# Altium PCB WCAM-TK-PCB-R02.PcbDoc (part 1 of 2)
Units mm, origin at the board's own origin, x right, y up, seen from the top; angles counter-clockwise.
Board outline 206 x 6 mm, 6 copper layers (Top Layer, Layer 1, Layer 2, Layer 3, Layer 4, Bottom Layer), stack 0.887 mm thick; 179 components, 113 nets, 601 pads, 260 vias.
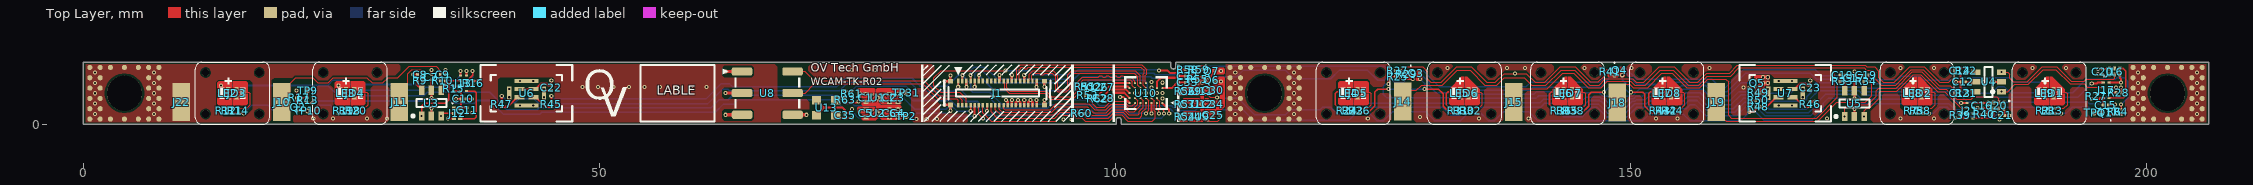
[diagram p0: Top Layer view]
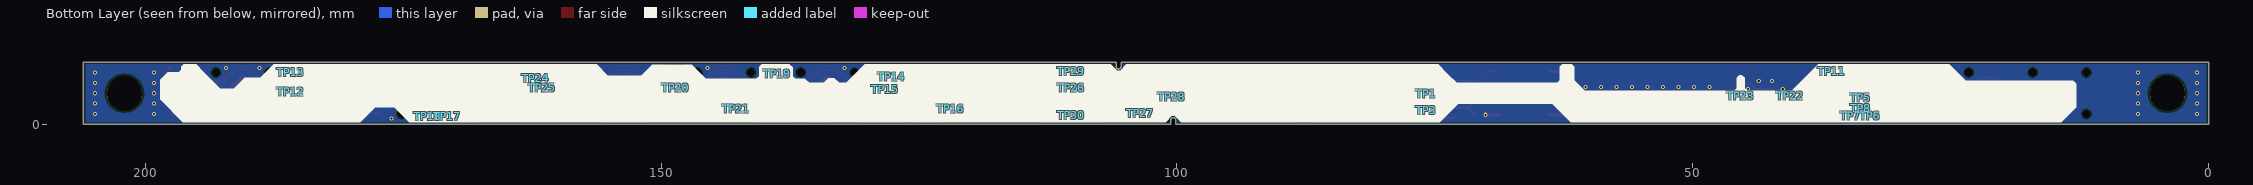
[diagram p1: Bottom Layer view, seen from below]
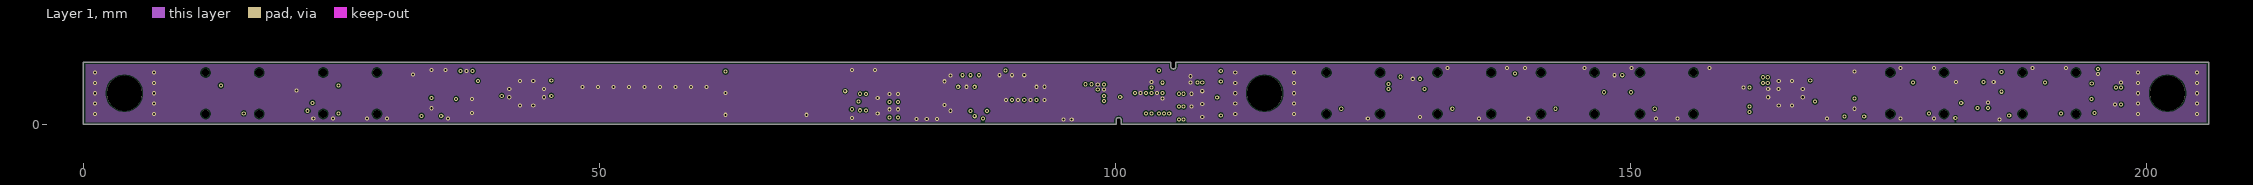
[diagram p2: Layer 1]
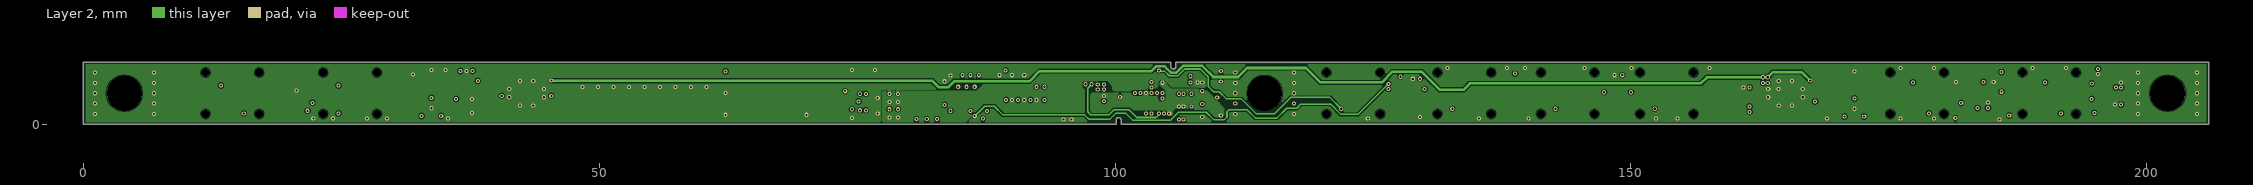
[diagram p3: Layer 2]
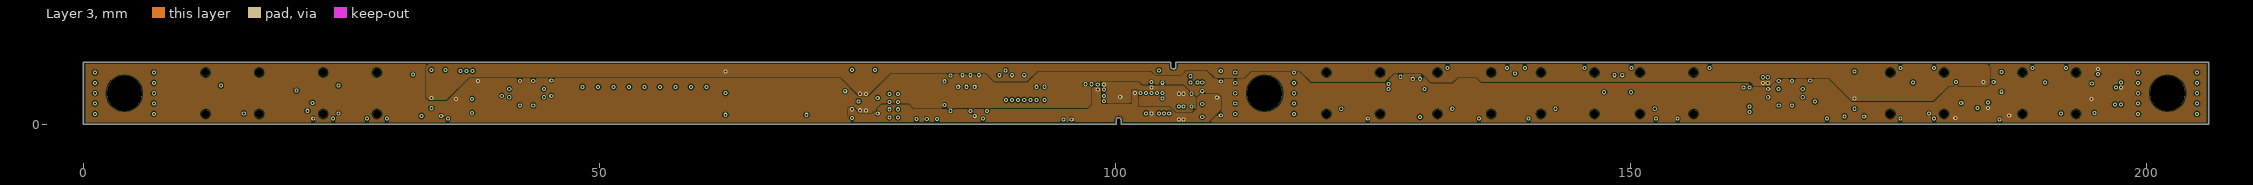
[diagram p4: Layer 3]
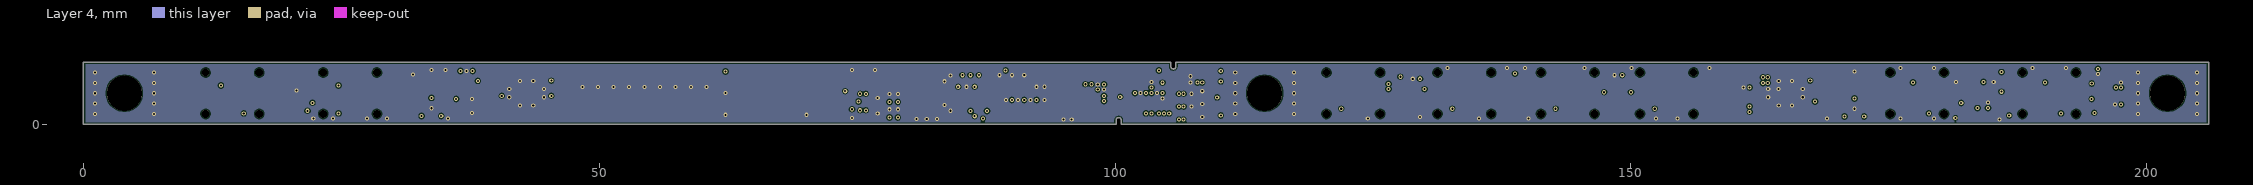
[diagram p5: Layer 4]
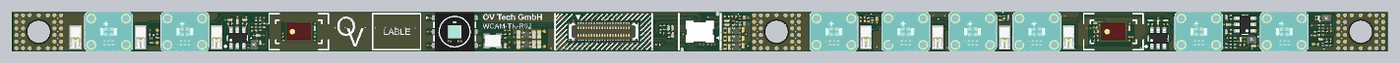
[diagram p7: 3D render of the assembled board from above, using the file's embedded part models]

## Layer stack, top to bottom
Top Solder: solder mask 0.01, Solder Resist, Dk 3.5
Top Layer: signal copper 0.036
Dielectric 1: prepreg 0.1164, Prepreg 2116, Dk 4.5
Layer 1: signal copper 0.035
Dielectric 2: prepreg 0.071, PP-006, Dk 4.1
Layer 2: signal copper 0.035
Dielectric 3: dielectric 0.3, FR-4, Dk 4.8
Layer 3: signal copper 0.035
Dielectric 4: prepreg 0.071, PP-006, Dk 4.1
Layer 4: signal copper 0.035
Dielectric 5: prepreg 0.1164, Prepreg 2116, Dk 4.5
Bottom Layer: signal copper 0.036
Bottom Solder: solder mask 0.01, Solder Resist, Dk 3.5

## Board outline
100.1,0 100.1,0.4 cw(c100.35,0.4) 100.35,0.65 cw(c100.35,0.4) 100.6,0.4 100.6,0 206,0 206,6 105.9,6 105.9,5.6 cw(c105.65,5.6) 105.65,5.35 cw(c105.65,5.6) 105.4,5.6 105.4,6 0,6 0,0

## Design rules (kind name [scope] priority, off if disabled: settings)
BoardOutlineClearance [Not (OnLayer('Top overlay'))] p1: gap=0.2 ignorepadtopadclearanceinfootprint=FALSE
Clearance Clearance_Poly_Track [InPolygon vs IsTrack] p1: gap=0.15 ignorepadtopadclearanceinfootprint=FALSE
Clearance [All] p2: gap=0.1 ignorepadtopadclearanceinfootprint=FALSE
ComponentClearance ComponentClearance_LED_Diffusor [HasFootprint('LED 120X120 LTRB R37G RGB') vs HasFootprint('LIGHT_PIPE_DIFFUSOR_CUSTOM')] p1: gap=0.1 collisioncheckmode=3 verticalgap=0.1 showdistances=FALSE
ComponentClearance [All] p2: gap=0.2 collisioncheckmode=3 verticalgap=0.2 showdistances=FALSE
DiffPairsRouting [InDifferentialPairClass('DIFF100')] p1: maxlimit=0.254 minlimit=0.12 mostfreqgap=0.254 toplayer_maxgap=0.12 toplayer_prefgap=0.12 toplayer_minwidth=0.1 toplayer_maxwidth=0.1 toplayer_prefwidth=0.1 midlayer1_mingap=0.254 midlayer1_minwidth=0.381 midlayer1_maxwidth=0.381 midlayer1_prefwidth=0.381 midlayer2_mingap=0.254 midlayer2_minwidth=0.381 midlayer2_maxwidth=0.381 midlayer2_prefwidth=0.381 midlayer3_mingap=0.254 midlayer3_minwidth=0.381 midlayer3_maxwidth=0.381 midlayer3_prefwidth=0.381 midlayer4_mingap=0.254 midlayer4_minwidth=0.381 midlayer4_maxwidth=0.381 midlayer4_prefwidth=0.381 bottomlayer_maxgap=0.12 bottomlayer_prefgap=0.12 bottomlayer_minwidth=0.1 bottomlayer_maxwidth=0.1 bottomlayer_prefwidth=0.1 maxuncoupledlength=12.7
HoleSize [All] p1: absolutevalues=TRUE maxlimit=5 minlimit=0.025 maxpercent=80.000 minpercent=20.000
HoleToHoleClearance [All] p1: gap=0.2 allowstackedmicrovias=TRUE
MatchedLengths CSI_Intra_Pair [InxSignalClass('CSI')] p1: tolerance=0.1 checknetsindiffpair=TRUE checkdiffpairvsdiffpair=FALSE checkxsignals=FALSE checkothers=FALSE usedelayunits=TRUE delaytolerance=10.000000
MatchedLengths CSI_Pair_Pair [InxSignalClass('CSI')] p2: tolerance=0.5 checknetsindiffpair=FALSE checkdiffpairvsdiffpair=TRUE checkxsignals=TRUE checkothers=TRUE usedelayunits=TRUE delaytolerance=100.000000
MinimumSolderMaskSliver [All] p1: minsoldermaskwidth=0.05
PolygonConnect [All] p1: connectstyle=Direct reliefconductorwidth=0.254 reliefentries=4 polygonreliefangle="90 Angle" airgapwidth=0.254
RoomDefinition "U_02 Sensors" [InComponentClass('U_02 Sensors')] p1: confinementstyle=ConfineOut formatcopy=TRUE lockcomponents=FALSE outline 152.75,67.65 479.799,67.65 479.799,84.15 152.75,84.15
RoomDefinition "U_01 Touch Sensing Keys" [InComponentClass('U_01 Touch Sensing Keys')] p2: confinementstyle=ConfineOut formatcopy=TRUE lockcomponents=FALSE outline 152.75,59.5 691.999,59.5 691.999,66.45 152.75,66.45
RoomDefinition "00 Block Diagram" [InComponentClass('00 Block Diagram')] p3: confinementstyle=ConfineOut formatcopy=TRUE lockcomponents=FALSE outline 152.8,44.65 335.15,44.65 335.15,58.25 152.8,58.25
RoutingVias [All] p1: holewidth=0.2 width=0.4 viastyle="Through Hole" minholewidth=0.2 minwidth=0.4 maxholewidth=1 maxwidth=1.5
SilkToSilkClearance [All] p1: silktosilkclearance=0
SilkToSolderMaskClearance [IsPad] p1: minsilkscreentomaskgap=0 clearancetoexposedcopper=TRUE
SolderMaskExpansion [All] p1: expansion=0.05 istentingtop=FALSE
Width [All] p1: maxlimit=3 minlimit=0.1 preferedwidth=0.2
23 further rules are at their usual default settings.

## Classes and differential pairs
differential pair class DIFF100: CSI_CLK CSI_D0 CSI_D1
net class PWR: AGND AVDD DOVDD DVDD GND NetC24_1 NetC25_1 NetC29_1 NetC31_1 VCC3.3 VCC5.0 VCC_MIC VCCA3.3
net class "MIPI CSI": CSI_CLK_N CSI_CLK_P CSI_D0_N CSI_D0_P CSI_D1_N CSI_D1_P
component class "U_02 Sensors": C22 C23 C24 C25 C26 C27 C28 C29 C30 C31 C32 C33 C34 C35 Q5 Q6 Q7 R45 R46 R47 R48 R49 R50 R51 R52 R53 R54 R55 R56 R57 R58 R59 R60 R61 R62 R63 TP22 TP23 TP24 TP25 TP26 TP27 TP28 TP29 TP30 U6 U7 U8 U9 U10 U11 U12 U13
component class "U_01 Touch Sensing Keys": C7 C8 C9 C10 C11 C12 C13 C14 C15 C16 C17 C18 C19 C20 C21 J10 J11 J12 J13 J14 J15 J16 J17 J18 J19 J20 J21 LED3 LED4 LED5 LED6 LED7 LED8 Q2 Q3 Q4 R9 R10 R11 R12 R13 R14 R15 R16 R17 R18 R19 R20 R21 R22 R23 R24 R25 R26 R27 R28 R29 R30 R31 R32 R33 R34 R35 R36 R37 R38 R39 R40 R41 R42 R43 R44 TP5 TP6 TP7 TP8 TP9 TP10 TP11 TP12 TP13 TP14 TP15 TP16 TP17 TP18 TP19 TP20 TP21 U3 U4 U5
component class "00 Block Diagram": C1 C2 C3 C4 C5 C6 J1 J2 J3 J4 J5 J6 J7 J8 J9 J22 LED1 LED2 Q1 R1 R2 R3 R4 R5 R6 R7 R8 TP1 TP2 TP3 TP4 TP31 U1 U2
differential pair CSI_D1: +CSI_D1_P -CSI_D1_N
differential pair CSI_D0: +CSI_D0_P -CSI_D0_N
differential pair CSI_CLK: +CSI_CLK_P -CSI_CLK_N

## Components (designator, comment, footprint, x,y, rotation, side; value= is the part's Value field where it differs from the comment)
C1 "1µF 25V" CAPC1005X06L 75.85,2.55 r270 top
C2 "1µF 25V" CAPC1005X06L 78.15,2.55 r90 top
C3 "10µF 10V" CAPC1005X06L 78.95,2.55 r90 top
C4 "10µF 10V" CAPC1005X06L 78.95,1.05 r90 top
C5 "1µF 25V" CAPC1005X06L 75.85,1.05 r270 top
C6 "1µF 25V" CAPC1005X06L 78.15,1.05 r90 top
C7 "470nF 10V" CAPC0603X03L 33.75,4.55 r90 top
C8 "OPT" CAPC0603X03L 32.65,4.8 r180 top
C9 "OPT" CAPC0603X03L 34.85,4.8 r0 top
C10 "470nF 10V" CAPC0603X03L 36.85,2.45 r0 top
C11 "470nF 10V" CAPC0603X03L 37.2,1.35 r270 top
C12 "470nF 10V" CAPC0603X03L 182.2,4.1 r180 top
C13 "OPT" CAPC0603X03L 181.9,3 r90 top
C14 "OPT" CAPC0603X03L 181.9,5.2 r270 top
C15 "470nF 10V" CAPC0603X03L 196,1.85 r0 top
C16 "470nF 10V" CAPC0603X03L 184.026,1.811 r90 top
C17 "470nF 10V" CAPC0603X03L 171.65,4.45 r90 top
C18 "OPT" CAPC0603X03L 170.5,4.75 r0 top
C19 "OPT" CAPC0603X03L 172.8,4.75 r180 top
C20 "470nF 10V" CAPC0603X03L 195.71,5.1 r270 top
C21 "470nF 10V" CAPC0603X03L 185.95,0.85 r180 top
C22 "470nF 10V" CAPC0603X03L 45.37,3.512 r270 top
C23 "470nF 10V" CAPC0603X03L 167.37,3.512 r270 top
C24 "1uF 6.3V" CAPC0603X03L 107.4,0.7 r270 top
C25 "1uF 6.3V" CAPC0603X03L 109.5,0.85 r270 top
C26 "470nF 10V" CAPC0603X03L 98.325,3.6 r90 top
C27 "470nF 10V" CAPC0603X03L 98.925,3.6 r270 top
C28 "1uF 6.3V" CAPC0603X03L 98.925,2.5 r270 top
C29 "1uF 6.3V" CAPC0603X03L 107.4,3.2 r270 top
C30 "1uF 6.3V" CAPC0603X03L 109.5,3.3 r270 top
C31 "1uF 6.3V" CAPC0603X03L 107.4,1.95 r270 top
C32 "1uF 6.3V" CAPC0603X03L 107.05,4.65 r0 top
C33 "1uF 6.3V" CAPC0603X03L 107.05,4.05 r0 top
C34 "1uF 6.3V" CAPC0603X03L 109.5,1.95 r270 top
C35 "470nF 10V" CAPC0603X03L 73.85,0.85 r270 top
J1 "5055504020" "BOARD-TO-BOARD 40POL_505550-4020" 88.6,3.014 r0 top locked
J2 "Custom Light Pipe Diffusor" LIGHT_PIPE_DIFFUSOR_CUSTOM 14.468,3 r0 top locked
J3 "Custom Light Pipe Diffusor" LIGHT_PIPE_DIFFUSOR_CUSTOM 25.868,3 r0 top locked
J4 "Custom Light Pipe Diffusor" LIGHT_PIPE_DIFFUSOR_CUSTOM 123.089,3 r0 top locked
J5 "Custom Light Pipe Diffusor" LIGHT_PIPE_DIFFUSOR_CUSTOM 133.854,3 r0 top locked
J6 "Custom Light Pipe Diffusor" LIGHT_PIPE_DIFFUSOR_CUSTOM 143.868,3 r0 top locked
J7 "Custom Light Pipe Diffusor" LIGHT_PIPE_DIFFUSOR_CUSTOM 153.468,3 r0 top locked
J8 "Custom Light Pipe Diffusor" LIGHT_PIPE_DIFFUSOR_CUSTOM 177.735,3 r0 top locked
J9 "Custom Light Pipe Diffusor" LIGHT_PIPE_DIFFUSOR_CUSTOM 190.535,3 r0 top locked
J10 "3-2199250-3" "Contact Pad_3.2mm_3-2199250-3" 19.25,2.15 r90 top
J11 "3-2199250-3" "Contact Pad_3.2mm_3-2199250-3" 30.65,2.15 r90 top
J12 "74AUP1G14GM,115" PSON50P140X100X50-6L 36.25,1.05 r0 top
J13 "74AUP1G74GT,115" PSON50P100X50-8L 36.85,3.95 r180 top
J14 "3-2199250-3" "Contact Pad_3.2mm_3-2199250-3" 127.9,2.2 r90 top
J15 "3-2199250-3" "Contact Pad_3.2mm_3-2199250-3" 138.65,2.15 r90 top
J16 "74AUP1G14GM,115" PSON50P140X100X50-6L 196.86,5.1 r90 top
J17 "74AUP1G74GT,115" PSON50P100X50-8L 196.05,3.3 r180 top
J18 "3-2199250-3" "Contact Pad_3.2mm_3-2199250-3" 148.65,2.1 r90 top
J19 "3-2199250-3" "Contact Pad_3.2mm_3-2199250-3" 158.25,2.15 r90 top
J20 "74AUP1G14GM,115" PSON50P140X100X50-6L 185.65,1.8 r270 top
J21 "74AUP1G74GT,115" PSON50P100X50-8L 182.836,1.311 r180 top
J22 "3-2199250-3" "Contact Pad_3.2mm_3-2199250-3" 9.5,2.15 r90 top
LED1 "LTRBR37G-4R4S-0125-0" "LED 120X120 LTRB R37G RGB" 190.535,3 r90 top locked
LED2 "LTRBR37G-4R4S-0125-0" "LED 120X120 LTRB R37G RGB" 177.735,3 r90 top locked
LED3 "LTRBR37G-4R4S-0125-0" "LED 120X120 LTRB R37G RGB" 14.468,3 r90 top locked
LED4 "LTRBR37G-4R4S-0125-0" "LED 120X120 LTRB R37G RGB" 25.868,3 r90 top locked
LED5 "LTRBR37G-4R4S-0125-0" "LED 120X120 LTRB R37G RGB" 123.089,3 r90 top locked
LED6 "LTRBR37G-4R4S-0125-0" "LED 120X120 LTRB R37G RGB" 133.85,3 r90 top locked
LED7 "LTRBR37G-4R4S-0125-0" "LED 120X120 LTRB R37G RGB" 143.868,3 r90 top locked
LED8 "LTRBR37G-4R4S-0125-0" "LED 120X120 LTRB R37G RGB" 153.468,3 r90 top locked
Q1 "SSM3K15ACT,L3F" DFN65P100X50-3L 195.95,1.1 r180 top
Q2 "SSM3K15ACT,L3F" DFN65P100X50-3L 20.825,1.625 r270 top
Q3 "SSM3K15ACT,L3F" DFN65P100X50-3L 129.2,4.95 r0 top
Q4 "SSM3K15ACT,L3F" DFN65P100X50-3L 148.925,5.225 r0 top
Q5 "SSM3J56ACT,L3F" DFN65P100X50-3L 162.245,3.987 r90 top
Q6 "SSM3J56ACT,L3F" DFN65P100X50-3L 109.35,4.25 r0 top
Q7 "SSM3K15ACT,L3F" DFN65P100X50-3L 109.35,5.15 r0 top
R1 "240R 1%" RESC0603X03L 190.55,1.3 r270 top
R2 "150R 1%" RESC0603X03L 189.95,1.3 r270 top
R3 "1.5k 1%" RESC0603X03L 191.15,1.3 r270 top
R4 "240R 1%" RESC0603X03L 197.5,1.2 r90 top
R5 "240R 1%" RESC0603X03L 177.75,1.3 r270 top
R6 "18k 1%" RESC0603X03L 196.9,1.2 r270 top
R7 "1k 1%" RESC0603X03L 177.15,1.3 r270 top
R8 "240R 1%" RESC0603X03L 178.35,1.3 r270 top
R9 "0R 1%" RESC0603X03L 32.65,4.2 r0 top
R10 "0R 1%" RESC0603X03L 34.85,4.2 r180 top
R11 "240R 1%" RESC0603X03L 14.45,1.3 r270 top
R12 "150R 1%" RESC0603X03L 13.85,1.3 r270 top
R13 "240R 1%" RESC0603X03L 21.76,2.32 r270 top
R14 "1.5k 1%" RESC0603X03L 15.05,1.3 r270 top
R15 "1k 1%" RESC0603X03L 35.9,3.45 r270 top
R16 "1k 1%" RESC0603X03L 37.8,3.95 r90 top
R17 "18k 1%" RESC0603X03L 20.93,2.55 r0 top
R18 "240R 1%" RESC0603X03L 25.866,1.3 r270 top
R19 "1k 1%" RESC0603X03L 25.266,1.3 r270 top
R20 "240R 1%" RESC0603X03L 26.466,1.3 r270 top
R21 "0R 1%" RESC0603X03L 182.5,3 r270 top
R22 "0R 1%" RESC0603X03L 182.5,5.2 r90 top
R23 "240R 1%" RESC0603X03L 123.1,1.3 r270 top
R24 "150R 1%" RESC0603X03L 122.5,1.3 r270 top
R25 "240R 1%" RESC0603X03L 127.4,4.6 r180 top
R26 "1.5k 1%" RESC0603X03L 123.7,1.3 r270 top
R27 "1k 1%" RESC0603X03L 195.1,2.7 r270 top
R28 "1k 1%" RESC0603X03L 197.25,3.05 r0 top
R29 "18k 1%" RESC0603X03L 128.25,4.85 r90 top
R30 "240R 1%" RESC0603X03L 133.85,1.3 r270 top
R31 "1k 1%" RESC0603X03L 133.25,1.3 r270 top
R32 "240R 1%" RESC0603X03L 134.45,1.3 r270 top
R33 "0R 1%" RESC0603X03L 170.5,4.15 r180 top
R34 "0R 1%" RESC0603X03L 172.8,4.15 r0 top
R35 "240R 1%" RESC0603X03L 143.85,1.3 r270 top
R36 "150R 1%" RESC0603X03L 143.25,1.3 r270 top
R37 "240R 1%" RESC0603X03L 127.4,5.2 r180 top
R38 "1.5k 1%" RESC0603X03L 144.45,1.3 r270 top
R39 "1k 1%" RESC0603X03L 181.886,0.861 r270 top
R40 "1k 1%" RESC0603X03L 184.25,0.95 r0 top
R41 "18k 1%" RESC0603X03L 148,5.1 r90 top
R42 "240R 1%" RESC0603X03L 153.45,1.3 r270 top
R43 "1k 1%" RESC0603X03L 152.85,1.3 r270 top
R44 "240R 1%" RESC0603X03L 154.05,1.3 r270 top
R45 "0R 1%" RESC0603X03L 45.37,1.942 r90 top
R46 "0R 1%" RESC0603X03L 167.37,1.942 r270 top
R47 "0R 1%" RESC0603X03L 40.57,1.942 r90 top
R48 "0R 1%" RESC0603X03L 162.34,1.712 r0 top
R49 "18k 1%" RESC0603X03L 162.345,3.037 r0 top
R50 "240R 1%" RESC0603X03L 162.34,2.312 r0 top
R51 "1.5k 1%" RESC0603X03L 97.125,3.62 r270 top
R52 "1.5k 1%" RESC0603X03L 97.725,3.62 r270 top
R53 "1.5k 1%" RESC0603X03L 97.355,2.79 r180 top
R54 "0R 1%" RESC0603X03L 106.8,0.7 r270 top
R55 "18k 1%" RESC0603X03L 108,4.35 r90 top
R56 "0R 1%" RESC0603X03L 106.8,3.2 r270 top
R57 "0R 1%" RESC0603X03L 106.8,1.95 r270 top
R58 "240R 1%" RESC0603X03L 107.05,5.3 r0 top
R59 "18k 1%" RESC0603X03L 108.15,5.3 r0 top
R60 "10k 1%" RESC0603X03L 96.75,1.05 r180 top
R61 "OPT" RESC0603X03L 74.5,2.95 r90 top
R62 "0R 1%" RESC0603X03L 98.325,2.48 r90 top
R63 "33R 1%" RESC0603X03L 73.85,2.35 r270 top
TP1 "Testpoint 0.5mm" TP_0.50mm 75.85,2.945 r270 bottom
TP2 "Testpoint 0.5mm" TP_0.50mm 79.75,0.75 r90 top
TP3 "Testpoint 0.5mm" TP_0.50mm 75.85,1.345 r270 bottom
TP4 "Testpoint 0.5mm" TP_0.50mm 194.9,1.1 r270 top
TP5 "Testpoint 0.5mm" TP_0.50mm 33.75,2.55 r0 bottom
TP6 "Testpoint 0.5mm" TP_0.50mm 32.8,0.8 r0 bottom
TP7 "Testpoint 0.5mm" TP_0.50mm 34.7,0.8 r0 bottom
TP8 "Testpoint 0.5mm" TP_0.50mm 33.75,1.55 r0 bottom
TP9 "Testpoint 0.5mm" TP_0.50mm 21.75,3.25 r90 top
TP10 "Testpoint 0.5mm" TP_0.50mm 21.75,1.3 r90 top
TP11 "Testpoint 0.5mm" TP_0.50mm 36.56,5.15 r0 bottom
TP12 "Testpoint 0.5mm" TP_0.50mm 185.9,3.15 r90 bottom
TP13 "Testpoint 0.5mm" TP_0.50mm 185.9,5.05 r90 bottom
TP14 "Testpoint 0.5mm" TP_0.50mm 127.65,4.6 r90 bottom
TP15 "Testpoint 0.5mm" TP_0.50mm 128.25,3.4 r90 bottom
TP16 "Testpoint 0.5mm" TP_0.50mm 121.92,1.5 r90 bottom
TP17 "Testpoint 0.5mm" TP_0.50mm 170.7,0.75 r90 bottom
TP18 "Testpoint 0.5mm" TP_0.50mm 172.6,0.75 r90 bottom
TP19 "Testpoint 0.5mm" TP_0.50mm 138.75,4.9 r90 bottom
TP20 "Testpoint 0.5mm" TP_0.50mm 148.575,3.55 r90 bottom
TP21 "Testpoint 0.5mm" TP_0.50mm 142.7,1.5 r90 bottom
TP22 "Testpoint 0.5mm" TP_0.50mm 40.57,2.75 r90 bottom
TP23 "Testpoint 0.5mm" TP_0.50mm 45.37,2.75 r90 bottom
TP24 "Testpoint 0.5mm" TP_0.50mm 162.15,4.45 r90 bottom
TP25 "Testpoint 0.5mm" TP_0.50mm 161.5,3.55 r90 bottom
TP26 "Testpoint 0.5mm" TP_0.50mm 110.25,3.55 r90 bottom
TP27 "Testpoint 0.5mm" TP_0.50mm 103.55,1.05 r90 bottom
TP28 "Testpoint 0.5mm" TP_0.50mm 100.5,2.65 r90 bottom
TP29 "Testpoint 0.5mm" TP_0.50mm 110.25,5.15 r90 bottom
TP30 "Testpoint 0.5mm" TP_0.50mm 110.25,0.85 r90 bottom
TP31 "Testpoint 0.5mm" TP_0.50mm 79.75,3.05 r90 top
U1 "TLV74033PDQNR" X2SON-DFN 77,2.55 r0 top
U2 "TLV74033PDQNR" X2SON-DFN 77,1.05 r0 top
U3 "TTP232-CA6" SOT95P285X126-6L 33.75,2.05 r90 top
U4 "TTP232-CA6" SOT95P285X126-6L 184.65,4.1 r180 top
U5 "TTP232-CA6" SOT95P285X126-6L 171.65,2 r90 top
U6 "SPK0641HT4H-1" MIC_SPK0641HT4H-1 42.97,3.012 r90 top locked
U7 "SPK0641HT4H-1" MIC_SPK0641HT4H-1 164.97,3.012 r90 top locked
U8 "Ambient Light Sensor Module R01" "ABLS-R01-AMBIENT LIGHT SENSOR MODULE" 66.3,3.014 r0 top locked
U9 "TLV74018PDQNR" X2SON-DFN 108.45,0.7 r0 top
U10 "OV02740-H34A-Z" BGA34C53P7X5_386X292X388 103,3.014 r180 top locked
U11 "TLV74012PDQNR" X2SON-DFN 108.45,3.2 r0 top
U12 "TLV74028PDQNR" X2SON-DFN 108.45,1.95 r0 top
U13 "ECS-2520MV-240-BN-TR" Oscillator_ECS-2520MV 72,1.6 r0 top

## Footprints (in the part's own frame and the unit in brackets; to place one, negate y for a bottom-side part, rotate by r counter-clockwise, add the part's x,y. Pads: shape width x height; smd on the part's side, far side on the other; paste and mask are expansions set on the pad)
"ABLS-R01-AMBIENT LIGHT SENSOR MODULE" [mm] "Custom Ambient Light Sensor LGA Module"
  rrect50% 2x0.8 smd: 1(-2.45,2.1) 2(-2.45,0) 3(-2.45,-2.1) 4(2.45,-2.1) 5(2.45,0) 6(2.45,2.1)
  body extent -3,-3 3,3, height 2.94
BGA34C53P7X5_386X292X388 [mm] "BGA, 34-Leads, Body 3,86x2,92mmx3,88mm, Pitch 0,53mm"
  round 0.2 smd: A1(-1.59,0.96) A2(-1.06,0.96) A3(-0.53,0.96) A4(0,0.96) A5(0.53,0.96) A6(1.06,0.96) A7(1.59,0.96) B1(-1.59,0.48) B2(-1.06,0.48) B3(-0.53,0.48) B4(0,0.48) B5(0.53,0.48) B6(1.06,0.48) B7(1.59,0.48) C1(-1.59,0) C2(-1.06,0) C3(-0.53,0) C4(0,0) C5(0.53,0) C6(1.06,0) C7(1.59,0) D1(-1.59,-0.48) D2(-1.06,-0.48) D3(-0.53,-0.48) D4(0,-0.48) D5(0.53,-0.48) D6(1.06,-0.48) D7(1.59,-0.48) E1(-1.59,-0.96) E3(-0.53,-0.96) E4(0,-0.96) E5(0.53,-0.96) E6(1.06,-0.96) E7(1.59,-0.96)
  silkscreen extent -2.9,0.7 -2.4,1.2, body extent -1.93,-1.46 1.93,1.46, height 0.72
"BOARD-TO-BOARD 40POL_505550-4020" [mm] "Board to board connector 0.4mm 40Pin"
  rect 0.24x0.45 smd: 1(-3.8,1.175) 2(-3.8,-1.175) 3(-3.4,1.175) 4(-3.4,-1.175) 5(-3,1.175) 6(-3,-1.175) 7(-2.6,1.175) 8(-2.6,-1.175) 9(-2.2,1.175) 10(-2.2,-1.175) 11(-1.8,1.175) 12(-1.8,-1.175) 13(-1.4,1.175) 14(-1.4,-1.175) 15(-1,1.175) 16(-1,-1.175) 17(-0.6,1.175) 18(-0.6,-1.175) 19(-0.2,1.175) 20(-0.2,-1.175) 21(0.2,1.175) 22(0.2,-1.175) 23(0.6,1.175) 24(0.6,-1.175) 25(1,1.175) 26(1,-1.175) 27(1.4,1.175) 28(1.4,-1.175) 29(1.8,1.175) 30(1.8,-1.175) 31(2.2,1.175) 32(2.2,-1.175) 33(2.6,1.175) 34(2.6,-1.175) 35(3,1.175) 36(3,-1.175) 37(3.4,1.175) 38(3.4,-1.175) 39(3.8,1.175) 40(3.8,-1.175)
  rect 0.5x0.47 smd: MT(-4.55,-1.145) MT(-4.55,1.145) MT(4.55,-1.145) MT(4.55,1.145)
  silkscreen extent -5.15,-1.22 5.15,2.5, body extent -5.15,-1.25 5.15,1.25, height 0.66
CAPC0603X03L [mm] "Chip Capacitor, 2-Leads, Body 0,60x0,30mm, IPC High Density"
  rect 0.27x0.3 smd paste-0.5: 1(-0.25,0) 2(0.25,0)
  body extent -0.3,-0.15 0.3,0.15, height 0.3
CAPC1005X06L [mm] "Chip Capacitor, 2-Leads, Body 1,00x0,50mm, IPC High Density"
  rect 0.38x0.48 smd: 1(-0.395,0) 2(0.395,0)
  body extent -0.5,-0.25 0.5,0.25, height 0.5
"Contact Pad_3.2mm_3-2199250-3" [mm] "Spring Loaded contact pad 3.2mm height"
  rect 3.65x1.7 smd: 1(0,0)
  body extent -1.73,-0.75 1.72,0.75, height 3.2
DFN65P100X50-3L [mm] "DFN, 3-Leads, Body 0,60x1,00mm, Pitch 0,65mm, IPC High Density"
  rect 0.25x0.15 smd: 1(-0.325,0.175) 2(-0.325,-0.175)
  rect 0.25x0.5 smd: 3(0.325,0)
  silkscreen extent -0.58,0.68 -0.48,0.77, body extent -0.53,-0.32 0.53,0.32, height 0.5
"LED 120X120 LTRB R37G RGB" [mm] "RGB LED Ultra Low Profile 1.2mm X 1.2mm x 0.25mm"
  rect 0.4x0.4 smd: 1(0.4,0.4) 2(0.4,-0.4) 3(-0.4,-0.4) 4(-0.4,0.4)
  silkscreen extent 0.85,0.05 1.55,0.75, body extent -0.5,-0.5 0.5,0.5, height 0.25
LIGHT_PIPE_DIFFUSOR_CUSTOM [mm] "Custom LED Diffusor 7.2mm"
  round 0.7 hole 0.8 unplated mask+0.4: MT(-2.6,-2) MT(-2.6,2) MT(2.6,-2) MT(2.6,2)
  silkscreen extent -3.6,-3 3.6,3, body extent -3.6,-3 3.6,3, height 2.75
MIC_SPK0641HT4H-1 [mm] "Digital SiSonic Microphone"
  rect 0.4x0.95 smd: 1(-0.4,-0.675) 2(-0.4,0.675) 3(0.4,0.675) 4(0.4,-0.675)
  rect 1.3x0.4 smd: 5(0,-1.675) 7(0,1.675)
  rect 0.375x2.3 smd: 6(-1.188,0) 8(1.188,0)
  body extent -1.5,-2 1.5,2, height 1.02
Oscillator_ECS-2520MV [mm] "miniature SMD HCMOS Oscillator with MultiVolt capability"
  rect 0.9x0.8 smd: 1(-0.925,-0.725) 2(0.925,-0.725) 3(0.925,0.725) 4(-0.925,0.725)
  body extent -1.25,-1 1.25,1, height 0.9
PSON50P100X50-8L [mm] "PSON, 8-Leads, Body 1,95x1,00mm, Pitch 0,50mm, IPC High Density"
  rect 0.3x0.2 smd: 1(-0.29,0.75) 2(-0.29,0.25) 3(-0.29,-0.25) 4(-0.29,-0.75) 5(0.29,-0.75) 6(0.29,-0.25) 7(0.29,0.25) 8(0.29,0.75)
  body extent -0.53,-1 0.53,1, height 0.5
PSON50P140X100X50-6L [mm] "PSON, 6-Leads, Body 1,00x1,45mm, Pitch 0,50mm, IPC High Density"
  rect 0.4x0.3 smd: 1(-0.3,0.5) 2(-0.3,0) 3(-0.3,-0.5) 4(0.3,-0.5) 5(0.3,0) 6(0.3,0.5)
  silkscreen extent -0.5,0.95 -0.4,1.05, body extent -0.5,-0.72 0.5,0.73, height 0.46
RESC0603X03L [mm] "Chip Resistor, 2-Leads, Body 0,60x0,30mm, IPC High Density"
  rect 0.27x0.3 smd paste-0.5: 1(-0.25,0) 2(0.25,0)
  body extent -0.3,-0.15 0.3,0.15, height 0.26
SOT95P285X126-6L [mm] "SOT23, 6-Leads, Body 2,90x2,85mm, Pitch 0,95mm, IPC High Density"
  rect 0.9x0.55 smd: 1(-1.25,0.95) 2(-1.25,0) 3(-1.25,-0.95) 4(1.25,-0.95) 5(1.25,0) 6(1.25,0.95)
  silkscreen extent -1.37,-1.45 0.4,1.9, body extent -1.4,-1.45 1.4,1.45, height 1.45
TP_0.50mm [mm] "Testpoint 0.50mm diameter"
  round 0.5 smd paste-1: TP(0,0)
X2SON-DFN [mm] "X2SON small outline to lead"
  rect 0.18x0.21 smd paste-1 mask-1: 1(-0.52,0.325) 2(-0.52,-0.325) 3(0.52,-0.325) 4(0.52,0.325)
  rect 0.48x0.48 smd rot 135: 5(0,0)
  Top Layer region: 0.61,0.22 0.43,0.22 0.25,0.4 0.25,0.43 0.61,0.43
  Top Layer region: 0.61,-0.22 0.43,-0.22 0.25,-0.4 0.25,-0.43 0.61,-0.43
  Top Layer region: -0.61,-0.22 -0.43,-0.22 -0.25,-0.4 -0.25,-0.43 -0.61,-0.43
  Top Layer region: -0.61,0.22 -0.43,0.22 -0.25,0.4 -0.25,0.43 -0.61,0.43
  body extent -0.5,-0.5 0.5,0.5, height 0.45

## Part data
C1 C2 C5 C6: library part CAP_0402_1µ_25V, "Multilayer Ceramic Capacitors MLCC - SMD/SMT 0402 25VDC", Manufacturer 1="Murata Electronics", Manufacturer 1 Prt. Nr.=GRM155R61E105KE11D, Manufacturer 2=Walsin, Manufacturer 2 Prt. Nr.=0402X105K250CT
C3 C4: library part CAP_0402_10µ_10V, "Multilayer Ceramic Capacitors MLCC - SMD/SMT 0402 10VDC", Manufacturer 1="Murata Electronics", Manufacturer 1 Prt. Nr.=GRM155R61A475MEAAD, Manufacturer 2="Taiyo Yuden", Manufacturer 2 Prt. Nr.=LMK105BBJ475MVLF
C7 C10 C11 C12 C15 C16 C17 C20 C21 C22 C23 C26 C27 C35: library part CAP_0201_470nF_10V, "Multilayer Ceramic Capacitors MLCC - SMD/SMT 0201 10VDC", Manufacturer 1="Taiyo Yuden", Manufacturer 1 Prt. Nr.=LMK063BBJ474KPLF, Manufacturer 2=TDK, Manufacturer 2 Prt. Nr.=C0603X5R1A474M030BC
C8 C9 C13 C14 C18 C19: library part CAP_0201_OPT, "Optional Capacitor 0201"
C24 C25 C28 C29 C30 C31 C32 C33 C34: library part CAP_0201_1uF_6.3V, "Multilayer Ceramic Capacitors MLCC - SMD/SMT 0201 6.3VDC", Manufacturer 1="Murata Electronics", Manufacturer 1 Prt. Nr.=GRM033R60J105MEA2D, Manufacturer 2="Samsung Electro-Mechanics", Manufacturer 2 Prt. Nr.=CL03A105MQ3CSNC
J1: library part "Board to Board Connector_5055504020", "Board to Board connector 40Pol Stacking Header 0.4mm Pitch", Manufacturer 1=Molex, Manufacturer 1 Prt. Nr.=505550-4020
J2 J3 J4 J5 J6 J7 J8 J9: library part "LIGHT PIPE_CUSTOM_DIFFUSOR", "Low Profile LED light pipe diffusor", Manufacturer 1="OV Tech", Manufacturer 1 Prt. Nr.="Light Pipe 7.2mm"
J10 J11 J14 J15 J18 J19 J22: library part PAD_3-2199250-3, "SMD Contact pad spring loaded 3.2mm", Manufacturer 1="TE Connectivity", Manufacturer 1 Prt. Nr.=3-2199250-3
J12 J16 J20: library part Inverter_74AUP1G14GM,115, "Single Unbuffered Inverter 74AUP1G14GM,115", Manufacturer 1=Nexperia, Manufacturer 1 Prt. Nr.=74AUP1G14GM,115
J13 J17 J21: library part D-FLOP_SMG-W-2,0x1,2x1,25-AU, "D-type flip-flop with differential output and async set- and reset input", Manufacturer 1=Nexperia, Manufacturer 1 Prt. Nr.=74AUP1G74GT,115
LED1 LED2 LED3 LED4 LED5 LED6 LED7 LED8: library part "LED RGB Low Profile_LTRBR37G-4R4S-0125-0", "Micro LED Ultra Low Profile 1.2mm X 1.2mm X 0.25mm LTRBR37G", Manufacturer 1="ams OSRAM", Manufacturer 1 Prt. Nr.=LTRBR37G-4R4S-0125-0
Q1 Q2 Q3 Q4 Q7: library part "N-Channel MOSFET_SSM3K15ACT,L3F", "MOSFET 30V SGL N-CH TRENCHMOS Logic Level", Manufacturer 1=Toshiba, Manufacturer 1 Prt. Nr.=SSM3K15ACT,L3F
Q5 Q6: library part "P-Channel MOSFET_SSM3J56ACT,L3F", "MOSFET 20V SGL P-CH TRENCHMOS Logic Level", Manufacturer 1=Toshiba, Manufacturer 1 Prt. Nr.=SSM3J56ACT,L3F
R1 R4 R5 R8 R11 R13 R18 R20 R23 R25 R30 R32 R35 R37 R42 R44 R50 R58: library part RES_0201_240R_1%, "Thick Film Resistors - SMD 240 OHM 1%", Manufacturer 1=Yageo, Manufacturer 1 Prt. Nr.=RC0201FR-07240RL, Manufacturer 2="Vishay / Dale", Manufacturer 2 Prt. Nr.=CRCW0201240RFNED
R2 R12 R24 R36: library part RES_0201_150R_1%, "Thick Film Resistors - SMD 150 OHM 1%", Manufacturer 1=Yageo, Manufacturer 1 Prt. Nr.=RC0201FR-07150RL, Manufacturer 2="Vishay / Dale", Manufacturer 2 Prt. Nr.=CRCW0201150RFNED
R3 R14 R26 R38 R51 R52 R53: library part RES_0201_1.5k_1%, "Thick Film Resistors - SMD 1.5K OHM 1%", Manufacturer 1=Yageo, Manufacturer 1 Prt. Nr.=RC0201FR-071K5L, Manufacturer 2="Vishay / Dale", Manufacturer 2 Prt. Nr.=CRCW02011K50FNED
R6 R17 R29 R41 R49 R55 R59: library part RES_0201_18k_1%, "Thick Film Resistors - SMD 18K OHM 1%", Manufacturer 1=Panasonic, Manufacturer 1 Prt. Nr.=ERJ-1GNF1802C, Manufacturer 2="KOA Speer", Manufacturer 2 Prt. Nr.=RK73H1HTTC1802F
R7 R15 R16 R19 R27 R28 R31 R39 R40 R43: library part RES_0201_1k_1%, "Thick Film Resistors - SMD 1K OHM 1%", Manufacturer 1=Yageo, Manufacturer 1 Prt. Nr.=RC0201FR-071KL, Manufacturer 2="Vishay / Dale", Manufacturer 2 Prt. Nr.=CRCW02011K00FNED
R9 R10 R21 R22 R33 R34 R45 R46 R47 R48 R54 R56 R57 R62: library part RES_0201_0R_1%, "Thick Film Resistors - SMD 0R OHM 1%", Manufacturer 1=Yageo, Manufacturer 1 Prt. Nr.=RC0201FR-070RL, Manufacturer 2="Vishay / Dale", Manufacturer 2 Prt. Nr.=CRCW02010000Z0ED
R60: library part RES_0201_10k_1%, "Thick Film Resistors - SMD 10K OHM 1%", Manufacturer 1=Yageo, Manufacturer 1 Prt. Nr.=RC0201FR-0710KL, Manufacturer 2="Vishay / Dale", Manufacturer 2 Prt. Nr.=CRCW020110K0FNED
R61: library part RES_0201_OPT, "Thick Film Resistors - SMD Optinal"
R63: library part RES_0201_33R_1%, "Thick Film Resistors - SMD 33R OHM 1%", Manufacturer 1=Yageo, Manufacturer 1 Prt. Nr.=RC0201FR-0733RL, Manufacturer 2="Vishay / Dale", Manufacturer 2 Prt. Nr.=CRCW020133R0FNED
U1 U2: library part "LDO 3.3V_TLV74033PDQNR", "LDO voltage regulator 300mA X2SON", Manufacturer 1="Texas Instruments", Manufacturer 1 Prt. Nr.=TLV74033PDQNR
U3 U4 U5: library part "Dual key capacitive touch sensing_TTP232-CA6", "Two key touch pad detector IC TTP232-CA6", Manufacturer 1="Tontek Design Tech", Manufacturer 1 Prt. Nr.=TTP232-CA6
U6 U7: library part "Digital Microphone PDM_SPK0641HT4H-1", "Digital MEMS Microphone Top Port PDM SPK0641HT4H-1", Manufacturer 1=Knowles, Manufacturer 1 Prt. Nr.=SPK0641HT4H-1
U8: library part "Light Sensor Module R01", "Custom Ambient Light Sensor Module with LGA Footprint"
U9: library part "LDO 1.8V_TLV74018PDQNR", "LDO voltage regulator 300mA X2SON", Manufacturer 1="Texas Instruments", Manufacturer 1 Prt. Nr.=TLV74018PDQNR
U10: library part "Image Sensor_OV2740", "MIPI CSI Image Sensor 1080p 1/6\"", Manufacturer 1 Prt. Nr.=OmniVision, Manufacturer 1=OV02740-H34A-Z
U11: library part "LDO 1.2V_TLV74012PDQNR", "LDO voltage regulator 300mA X2SON", Manufacturer 1="Texas Instruments", Manufacturer 1 Prt. Nr.=TLV74012PDQNR
U12: library part "LDO 2.8V_TLV74028PDQNR", "LDO voltage regulator 300mA X2SON", Manufacturer 1="Texas Instruments", Manufacturer 1 Prt. Nr.=TLV74028PDQNR
U13: library part "Crystal Oscillator_ECS-2520MV-240-BN-TR", "Crystal Oscillator 2520 miniature SMD package", Manufacturer 1=ECS, Manufacturer 1 Prt. Nr.=ECS-2520MV-240-BN-TR

## Free pads (board coordinates)
  round 0.5 smd: MT(0.65,0.5) MT(0.65,1.5) MT(0.65,2.5) MT(0.65,3.5) MT(0.65,4.5) MT(0.65,5.5) MT(1.65,0.5) MT(1.65,1.5) MT(1.65,2.5) MT(1.65,3.5) MT(1.65,4.5) MT(1.65,5.5) MT(2.65,0.5) MT(2.65,5.5) MT(4,0.5) MT(4,5.5) MT(5.35,0.5) MT(5.35,5.5) MT(6.35,0.5) MT(6.35,1.5) MT(6.35,2.5) MT(6.35,3.5) MT(6.35,4.5) MT(6.35,5.5) MT(7.35,0.5) MT(7.35,1.5) MT(7.35,2.5) MT(7.35,3.5) MT(7.35,4.5) MT(7.35,5.5) MT(111.15,0.5) MT(111.15,1.5) MT(111.15,2.5) MT(111.15,3.5) MT(111.15,4.5) MT(111.15,5.5) MT(112.15,0.5) MT(112.15,1.5) MT(112.15,2.5) MT(112.15,3.5) MT(112.15,4.5) MT(112.15,5.5) MT(113.15,0.5) MT(113.15,5.5) MT(114.5,0.5) MT(114.5,5.5) MT(115.85,0.5) MT(115.85,5.5) MT(116.85,0.5) MT(116.85,1.5) MT(116.85,2.5) MT(116.85,3.5) MT(116.85,4.5) MT(116.85,5.5) MT(117.85,0.5) MT(117.85,1.5) MT(117.85,2.5) MT(117.85,3.5) MT(117.85,4.5) MT(117.85,5.5) MT(198.65,0.5) MT(198.65,1.5) MT(198.65,2.5) MT(198.65,3.5) MT(198.65,4.5) MT(198.65,5.5) MT(199.65,0.5) MT(199.65,1.5) MT(199.65,2.5) MT(199.65,3.5) MT(199.65,4.5) MT(199.65,5.5) MT(200.65,0.5) MT(200.65,5.5) MT(202,0.5) MT(202,5.5) MT(203.35,0.5) MT(203.35,5.5) MT(204.35,0.5) MT(204.35,1.5) MT(204.35,2.5) MT(204.35,3.5) MT(204.35,4.5) MT(204.35,5.5) MT(205.35,0.5) MT(205.35,1.5) MT(205.35,2.5) MT(205.35,3.5) MT(205.35,4.5) MT(205.35,5.5)
  round 3.4 hole 3.4 unplated mask+0.15: MT(4,3) MT(114.5,3) MT(202,3)

## Via types
v1: diameter 0.4, hole 0.2, Top Layer to Bottom Layer, tented both sides, 260 vias

## Nets (pads, with @x,y where several pads share a name; then routed paths per layer and width w, separated by ;. In a path a pad name is that pad's centre, name@x,y a point inside that pad or via, vN(x,y) a via of type N, cw(c..) or ccw(c..) an arc to the next point about the centre after c; other vN are vias at no path point)
AGND: C28.2 R62.1 U10.B7 U10.C1 | length 3.6
  Top Layer w0.2: R62.1@98.325,2.23 98.34,2.245 v1(98.93,2.245) 99.225,2.245 100.03,3.05 100.894,3.05 U10.B7@101.41,2.534
  other v1: 104.59,3.014
AVDD: C28.1 R57.2 TP30.TP U9.3 U10.A1 U10.C4 U10.C7 U10.E1 | length 6.3
  Top Layer w0.1: U9.3@108.97,0.375 108.97,0.364 109.01,0.324 109.126,0.324 109.15,0.3 109.95,0.3 110.228,0.578 110.228,0.828 v1(110.25,0.85)
  Top Layer w0.2: v1(98.925,2.75) 98.94,2.75 98.975,2.785 98.975,2.8 99.549,3.374 101.05,3.374 U10.C7@101.41,3.014 ; U10.A1@104.59,2.054 105.25,1.394 v1(105.25,1.05)
  Bottom Layer w0.4: v1(106.2,1.7) v1(106.65,1.7)
  other v1: 103,3.014 104.59,4.024
BAT_FCH_LED: J1.7 LED1.1 | length 110.8
  Top Layer w0.15: J1.7@86,4.189 v1(86,4.75)
  Bottom Layer w0.15: v1(86,4.75) 86,5.2 86.3,5.5 87.45,5.5 88.6,4.35 96,4.35 96.6,4.95 103.75,4.95 103.9,4.8 105.75,4.8 106.55,5.6 126.1,5.6 126.5,5.2 129.85,5.2 131.4,3.65 139.85,3.65 140.25,4.05 146.95,4.05 147.4,4.5 147.4,4.85 148.1,5.55 149.35,5.55 150.55,4.35 157.85,4.35 158.65,3.55 159.15,3.55 160.9,5.3 167.85,5.3 168.45,4.7 172.95,4.7 173.35,4.3 175.85,4.3 176.2,4.65 177.95,4.65 178.35,4.25 180.95,4.25 181.2,4.5 186.7,4.5 187.15,4.05 v1(190.135,4.05)
BAT_LOW_LED: J1.9 LED2.1 | length 100.5
  Top Layer w0.15: v1(86.4,3.628) J1.9@86.4,4.189
  Bottom Layer w0.15: v1(86.4,3.628) 86.425,3.653 86.425,4.905 86.67,5.15 87.15,5.15 88.3,4 92.242,4 92.245,4.003 93.305,4.003 93.308,4 96.3,4 96.9,4.6 103.45,4.6 103.6,4.45 106.05,4.45 106.75,5.15 109.1,5.15 109.65,4.6 111.8,4.6 112.45,5.25 116.5,5.25 117.35,4.4 120.9,4.4 121.75,5.25 124.45,5.25 125.45,4.25 126.1,4.25 126.3,4.45 126.7,4.45 127.1,4.05 127.95,4.05 128.775,4.875 129.625,4.875 130.45,4.05 130.45,3.7 131.1,3.05 132.6,3.05 132.85,3.3 140.2,3.3 140.5,3.6 147.05,3.6 147.85,4.4 147.85,4.8 148.24,5.19 149.26,5.19 150.6,3.85 154.15,3.85 154.35,4.05 157.55,4.05 158.45,3.15 159.3,3.15 161.075,4.925 167.425,4.925 168,4.35 172.7,4.35 173.15,3.9 177.122,3.9 177.272,4.05 v1(177.335,4.05)
CAM_D\I\S\: J17.6 TP12.TP U4.1 | length 11.5
  Top Layer w0.1: v1(185.9,3.15) 186.5,3.15 187.2,3.85 188.5,3.85 189.95,5.3 191.15,5.3 192.55,3.9 193.9,3.9 194.2,3.6 195.601,3.6 195.71,3.6 J17.6@195.76,3.55
CAM_E\N\: J16.4 J17.1 | length 4.8
  Top Layer w0.15: J17.1@196.34,2.55 197.7,2.55 197.95,2.8 197.95,5.15 197.7,5.4 J16.4@197.36,5.4
CAM_EN: J16.2 TP13.TP U4.3 | length 13.2
  Top Layer w0.1: v1(185.9,5.05) 186.5,5.05 186.7,4.85 186.7,4.45 187.05,4.1 188.4,4.1 189.85,5.55 191.25,5.55 192.65,4.15 193.9,4.15 194.1,4.35 196.76,4.35 196.86,4.45 J16.2@196.86,4.8
CAMERA_DISABLE: J17.3 LED6.1 | length 74.4
  Top Layer w0.15: 132.632,3.15 132.282,3.15 132.082,2.95 132.082,1.9 132.482,1.5 v1(132.682,1.5) ; J17.3@196.34,3.55 v1(197,3.55)
  Bottom Layer w0.15: v1(132.682,1.5) 133.4,1.5 134,2.1 141.2,2.1 141.5,2.4 143,2.4 143.9,1.5 145.1,1.5 145.9,2.3 146.963,2.3 147.038,2.225 147.125,2.225 147.9,1.45 149.35,1.45 150.125,2.225 150.362,2.225 150.487,2.35 151.35,2.35 151.65,2.65 154.9,2.65 155.3,3.05 156.7,3.05 157.85,1.9 159.7,1.9 160.65,2.85 162,2.85 163.4,1.45 164.164,1.45 ; 164.165,1.449 165.649,1.449 ; 165.65,1.45 166.95,1.45 167.35,1.85 167.35,2.45 168.15,3.25 172.1,3.25 172.55,2.8 181.95,2.8 182.6,2.15 183.85,2.15 184.05,1.95 184.05,1.35 184.25,1.15 184.9,1.15 185.9,2.15 194.25,2.15 194.4,2 195.45,2 v1(197,3.55)
CAMERA_ENABLE: J1.6 J17.5 LED5.1 R58.1 TP16.TP | length 133.2
  Top Layer w0.1: J1.6@85.6,1.839 85.6,2.45 84.95,3.1 83.1,3.1 82.45,3.75 82.45,4.5 83.15,5.2 v1@89.391,5.2
  Top Layer w0.15: 121.87,3.15 121.52,3.15 121.32,2.95 121.32,1.9 121.72,1.5 v1(121.92,1.5)
  Top Layer w0.2: v1(104.25,5.2) 105.1,5.2 105.346,4.954 105.954,4.954 106.3,5.3 R58.1@106.8,5.3 ; v1(194.65,3.95) 195.15,3.95 195.25,4.05 J17.5@195.76,4.05
  Layer 2 w0.15: v1(104.25,5.2) 104.298,5.152 104.798,5.152 105.25,4.7 106.1,4.7 106.75,5.35 108.25,5.35 109.05,4.55 109.05,3.65 109.55,3.15 110.1,3.15 110.8,2.45 112.25,2.45 113.7,1 115.425,1 117.025,2.6 120.82,2.6 v1(121.92,1.5)
  Bottom Layer w0.15: v1(89.4,5.2) 91.75,5.2 92.15,4.8 95.9,4.8 96.4,5.3 104.082,5.3 104.182,5.2 v1(104.25,5.2) ; v1(121.92,1.5) 122.47,2.05 133.15,2.05 133.6,2.5 140.8,2.5 141.05,2.75 143.3,2.75 144.1,1.95 144.95,1.95 145.6,2.6 147.016,2.6 147.141,2.475 147.375,2.475 148,1.85 149.2,1.85 149.825,2.475 150.259,2.475 150.509,2.725 151.125,2.725 151.45,3.05 154.7,3.05 155.05,3.4 156.95,3.4 158.05,2.3 159.6,2.3 160.425,3.125 162.225,3.125 163.113,2.237 166.8,2.237 167.02,2.457 167.02,2.67 167.95,3.6 172.3,3.6 172.75,3.15 182.1,3.15 182.65,2.6 193.3,2.6 v1(194.65,3.95)
CAP_CAM_DIS: R21.1 U4.6 | length 0.9
  Top Layer w0.1: R21.1@182.5,3.25 183.3,3.25 U4.6@183.4,3.15
CAP_CAM_DIS_PAD: C13.1 J15.1 R21.2 | length 51.3
  Top Layer w0.1: J15.1@138.65,2.15 138.65,2.941 139.159,3.45 141.9,3.45 143.4,4.95 144.45,4.95 145.85,3.55 147.1,3.55 147.7,4.15 150,4.15 150.35,3.8 151.4,3.8 152.85,5.25 154.1,5.25 155.55,3.8 156.55,3.8 157.4,4.65 159.65,4.65 160.45,5.45 172.6,5.45 172.8,5.25 173.45,5.25 173.7,5 173.7,4.35 174.25,3.8 175.65,3.8 177.15,5.3 178.3,5.3 179.85,3.75 180.95,3.75 181.35,3.35 181.35,2.95 181.55,2.75 C13.1@181.9,2.75 R21.2@182.5,2.75
CAP_CAM_EN: R22.1 U4.4 | length 0.9
  Top Layer w0.1: R22.1@182.5,4.95 183.3,4.95 U4.4@183.4,5.05
CAP_CAM_EN_PAD: C14.1 J14.1 R22.2 | length 64
  Top Layer w0.1: J14.1@127.9,2.2 127.9,2.491 128.7,3.291 129.191,3.291 129.7,3.8 131.7,3.8 133.15,5.25 134.4,5.25 135.85,3.8 137,3.8 137.7,4.5 139.65,4.5 140.391,3.759 141.759,3.759 143.25,5.25 144.55,5.25 146,3.8 146.9,3.8 147.5,4.4 150.15,4.4 150.5,4.05 151.25,4.05 152.75,5.55 154.2,5.55 155.7,4.05 156.45,4.05 157.35,4.95 159.55,4.95 160.3,5.7 172.7,5.7 172.85,5.55 173.6,5.55 174,5.15 174,4.5 174.45,4.05 175.5,4.05 177,5.55 178.4,5.55 179.9,4.05 180.8,4.05 181.35,4.6 181.35,5.25 181.55,5.45 C14.1@181.9,5.45 R22.2@182.5,5.45
CAP_MIC_DIS: R34.1 U5.4 | length 0.9
  Top Layer w0.1: R34.1@172.55,4.15 172.55,3.3 U5.4@172.6,3.25
CAP_MIC_DIS_PAD: C19.1 J19.1 R34.2 | length 19.5
  Top Layer w0.1: J19.1@158.25,2.15 158.25,1.2 159.05,0.4 159.15,0.4 159.25,0.3 168.1,0.3 169.95,2.15 172.7,2.15 173.33,2.78 173.33,3.85 173.05,4.13 R34.2@173.05,4.15 C19.1@173.05,4.75
CAP_MIC_EN: R33.1 U5.6 | length 0.9
  Top Layer w0.1: U5.6@170.7,3.25 170.75,3.3 R33.1@170.75,4.15
CAP_MIC_EN_PAD: C18.1 J18.1 R33.2 | length 30.8
  Top Layer w0.1: J18.1@148.65,2.1 148.65,3.054 149.45,3.854 149.896,3.854 150.2,3.55 151.6,3.55 153,4.95 154,4.95 155.4,3.55 156.65,3.55 157.45,4.35 159.2,4.35 159.45,4.1 159.45,0.85 159.7,0.6 168,0.6 170,2.6 170,3.9 170.15,4.05 170.165,4.05 170.25,4.135 R33.2@170.25,4.15 C18.1@170.25,4.75
CAP_WIFI_DIS: R9.1 U3.6 | length 1.1
  Top Layer w0.2: R9.1@32.4,4.2 32.4,3.767 32.517,3.65 32.625,3.65 32.8,3.475 U3.6@32.8,3.3
CAP_WIFI_DIS_PAD: C8.1 J11.1 R9.2 | length 5.7
  Top Layer w0.1: J11.1@30.65,2.15 31.45,2.95 31.45,4.9 31.85,5.3 32.7,5.3 32.9,5.1 32.9,4.965 R9.2@32.9,4.2
CAP_WIFI_EN: R10.1 U3.4 | length 1.1
  Top Layer w0.2: U3.4@34.7,3.3 34.7,3.475 34.875,3.65 34.983,3.65 35.1,3.767 R10.1@35.1,4.2
CAP_WIFI_EN_PAD: C9.1 J10.1 R10.2 | length 19.4
  Top Layer w0.1: J10.1@19.25,2.15 20.05,2.95 20.05,3.95 20.6,4.5 22.25,4.5 22.75,4 23.75,4 24.25,4.5 27.5,4.5 28,4 29.05,4 29.55,4.5 30.5,4.5 31.6,5.6 34.2,5.6 34.6,5.2 C9.1@34.6,4.8 R10.2@34.6,4.2
CM_D: J17.2 R28.1 | length 0.7
  Top Layer w0.15: J17.2@196.34,3.05 R28.1@197,3.05
CM_S\D: J17.7 R27.1 | length 0.7
  Top Layer w0.15: R27.1@195.1,2.95 195.127,2.977 195.377,2.977 195.45,3.05 J17.7@195.76,3.05
CSI_CLK_N: J1.37 U10.D5 | length 15.4
  Top Layer w0.1: J1.37@92,4.189 91.93,4.259 91.93,4.402 91.91,4.422 91.91,4.749 92.111,4.95 92.3,4.95 92.7,4.95 92.77,4.88 92.77,4.861 92.84,4.791 93.05,4.791 93.12,4.861 93.12,4.88 93.19,4.95 93.345,4.95 93.9,4.95 94.23,4.62 94.23,3.359 94.459,3.13 95.291,3.13 95.65,3.489 95.65,4.7 95.9,4.95 101.85,4.95 102.206,4.594 102.206,3.783 102.47,3.519 U10.D5@102.47,3.494
CSI_CLK_P: J1.35 U10.E5 | length 15.4
  Top Layer w0.1: J1.35@91.6,4.189 91.67,4.259 91.67,4.402 91.69,4.422 91.69,4.84 92.02,5.17 93.991,5.17 94.45,4.711 94.45,3.45 94.55,3.35 95.2,3.35 95.43,3.58 95.43,4.791 95.809,5.17 101.941,5.17 102.426,4.685 102.426,4.082 102.451,4.058 102.451,3.993 U10.E5@102.47,3.974
CSI_D0_N: J1.31 U10.D4 | length 15.5
  Top Layer w0.1: J1.31@90.8,4.189 90.73,4.259 90.73,4.402 90.71,4.422 90.71,5.31 90.79,5.39 90.93,5.53 91.12,5.53 91.19,5.46 91.19,5.439 91.26,5.369 91.47,5.369 91.54,5.439 91.54,5.46 91.61,5.53 92.098,5.53 102.509,5.53 102.83,5.209 102.83,4.941 102.72,4.831 102.72,3.799 103,3.519 U10.D4@103,3.494
CSI_D0_P: J1.29 U10.E4 | length 15.5
  Top Layer w0.1: J1.29@90.4,4.189 90.47,4.259 90.47,4.402 90.49,4.422 90.49,5.401 90.839,5.75 102.6,5.75 103.05,5.3 103.05,4.85 102.94,4.74 102.94,4.061 103,4.001 U10.E4@103,3.974
CSI_D1_N: J1.23 U10.D6 | length 15.7
  Top Layer w0.1: J1.23@89.2,4.189 89.27,4.119 89.27,3.975 89.29,3.955 89.29,3.449 89.759,2.98 93.22,2.98 93.77,2.43 95.891,2.43 96.57,3.109 96.57,3.97 96.919,4.319 101.469,4.319 101.69,4.099 101.69,3.744 U10.D6@101.94,3.494
CSI_D1_P: J1.25 U10.E6 | length 15.7
  Top Layer w0.1: J1.25@89.6,4.189 89.53,4.119 89.53,3.975 89.51,3.955 89.51,3.54 89.85,3.2 93.311,3.2 93.861,2.65 95.8,2.65 96.35,3.2 96.35,4.061 96.828,4.539 98.1,4.539 98.36,4.539 98.43,4.609 98.5,4.679 98.71,4.679 98.78,4.609 98.85,4.539 99.06,4.539 99.13,4.609 99.13,4.628 99.2,4.698 99.41,4.698 99.48,4.628 99.48,4.609 99.55,4.539 99.76,4.539 99.83,4.609 99.83,4.628 99.9,4.698 100.11,4.698 100.18,4.628 100.18,4.609 100.25,4.539 100.46,4.539 100.53,4.609 100.53,4.628 100.6,4.698 100.81,4.698 100.88,4.628 100.88,4.609 100.95,4.539 101.35,4.539 101.561,4.539 101.921,4.179 101.921,3.993 U10.E6@101.94,3.974
DOVDD: C26.1 C35.1 R51.2 R52.2 R53.2 R54.2 TP27.TP U10.A3 U10.C6 U11.3 U13.1 U13.4 | length 9.6
  Top Layer w0.1: U11.3@108.97,2.875 108.97,2.86 109.01,2.82 109.025,2.82 109.245,2.6 v1(109.9,2.6)
  Top Layer w0.2: U13.1@71.075,0.875 71.125,0.875 71.425,1.175 71.425,1.225 71.8,1.6 ; U13.4@71.075,2.325 71.125,2.325 71.425,2.025 71.425,1.975 71.8,1.6 ; v1(74.5,1.45) 74.15,1.1 C35.1@73.85,1.1 73.82,1.13 73.82,1.38 73.6,1.6 71.8,1.6 ; R53.2@97.105,2.79 97.125,2.81 R51.2@97.125,3.37 98.305,3.37 v1(98.325,3.35) ; U10.A3@103.53,2.054 103.53,1.07 v1(103.55,1.05)
  Bottom Layer w0.4: v1(106.2,0.45) v1(106.65,0.45)
  other v1: 101.94,3.014
DVDD: C27.1 R56.2 TP28.TP U10.A7 U10.D3 U10.E7 | length 4.1
  Top Layer w0.2: v1(98.925,3.85) 98.954,3.879 99.205,3.879 99.3,3.974 U10.E7@101.41,3.974 ; v1(100.5,2.65) 100.504,2.646 100.804,2.646 101.397,2.054 U10.A7@101.41,2.054
  Bottom Layer w0.4: v1(106.2,2.95) v1(106.65,2.95)
  other v1: 103.53,3.544
GLOBAL_PWM: J1.10 R4.2 R13.2 R25.2 R37.2 | length 197
  Top Layer w0.15: v1(126.5,3.9) 126.5,4.3 126.8,4.6 R25.2@127.15,4.6 R37.2@127.15,5.2 ; R4.2@197.5,1.45 v1(197.5,1.9)
  Top Layer w0.2: R13.2@21.76,2.07 v1(22.218,2.07) ; v1(86.4,0.778) J1.10@86.4,1.839
  Layer 2 w0.15: v1(86.4,0.778) 87.372,1.75 88.3,1.75 89.15,0.9 97.05,0.9 97.45,0.5 99.5,0.5 100.05,1.05 101.05,1.05 101.7,0.4 105.4,0.4 106.15,1.15 108.85,1.15 109.55,0.45 110.6,0.45 110.85,0.7 110.85,1.2 111.05,1.4 112.8,1.4 113.6,0.6 115.7,0.6 116.65,1.55 117.6,1.55 118,1.95 120.9,1.95 121.9,0.95 123.52,0.95 126.47,3.9 v1(126.5,3.9)
  Bottom Layer w0.15: v1(22.218,2.07) 22.251,2.07 22.431,2.25 33.1,2.25 33.3,2.05 34.05,2.05 34.4,2.4 35.5,2.4 35.85,2.05 37.95,2.05 38.2,2.3 39.4,2.3 40.75,0.95 44.25,0.95 44.45,1.15 61.25,1.15 62.05,1.95 63.05,1.95 63.45,2.35 72.85,2.35 74.2,1 74.75,1 75.1,0.65 77.45,0.65 77.85,1.05 83.628,1.05 83.9,0.778 v1(86.4,0.778) ; v1(126.5,3.9) 126.474,3.874 126.224,3.874 126,3.65 126,2.9 126.35,2.55 132.95,2.55 133.3,2.9 140.6,2.9 140.85,3.15 143.6,3.15 144.2,2.55 144.8,2.55 145.3,3.05 146.92,3.05 147.245,2.725 150.155,2.725 150.88,3.45 154.6,3.45 154.9,3.75 157.25,3.75 158.25,2.75 159.4,2.75 160.65,4 161.9,4 162.9,3 165.45,3 166.45,4 166.95,4 167.2,3.75 167.6,3.75 167.85,4 172.4,4 172.9,3.5 182.45,3.5 182.95,3 184.95,3 185.6,3.65 186.15,3.65 186.75,3.05 192.8,3.05 194.1,4.35 196.95,4.35 197.121,4.521 197.779,4.521 198.15,4.15 198.15,2.55 v1(197.5,1.9)